# Altium PCB FPGA_Module.PcbDoc (part 4 of 5)
Units mm, origin at the board's own origin, x right, y up, seen from the top; angles counter-clockwise.
Board outline 40 x 50 mm, 6 copper layers (Top Layer, Int1 (GND), Int2 (Sign), Int3 (Sign), Int4 (GND), Bottom Layer), stack 1.49 mm thick; 168 components, 205 nets, 1176 pads, 667 vias.
Unrouted connection lines stored in the file: 1.
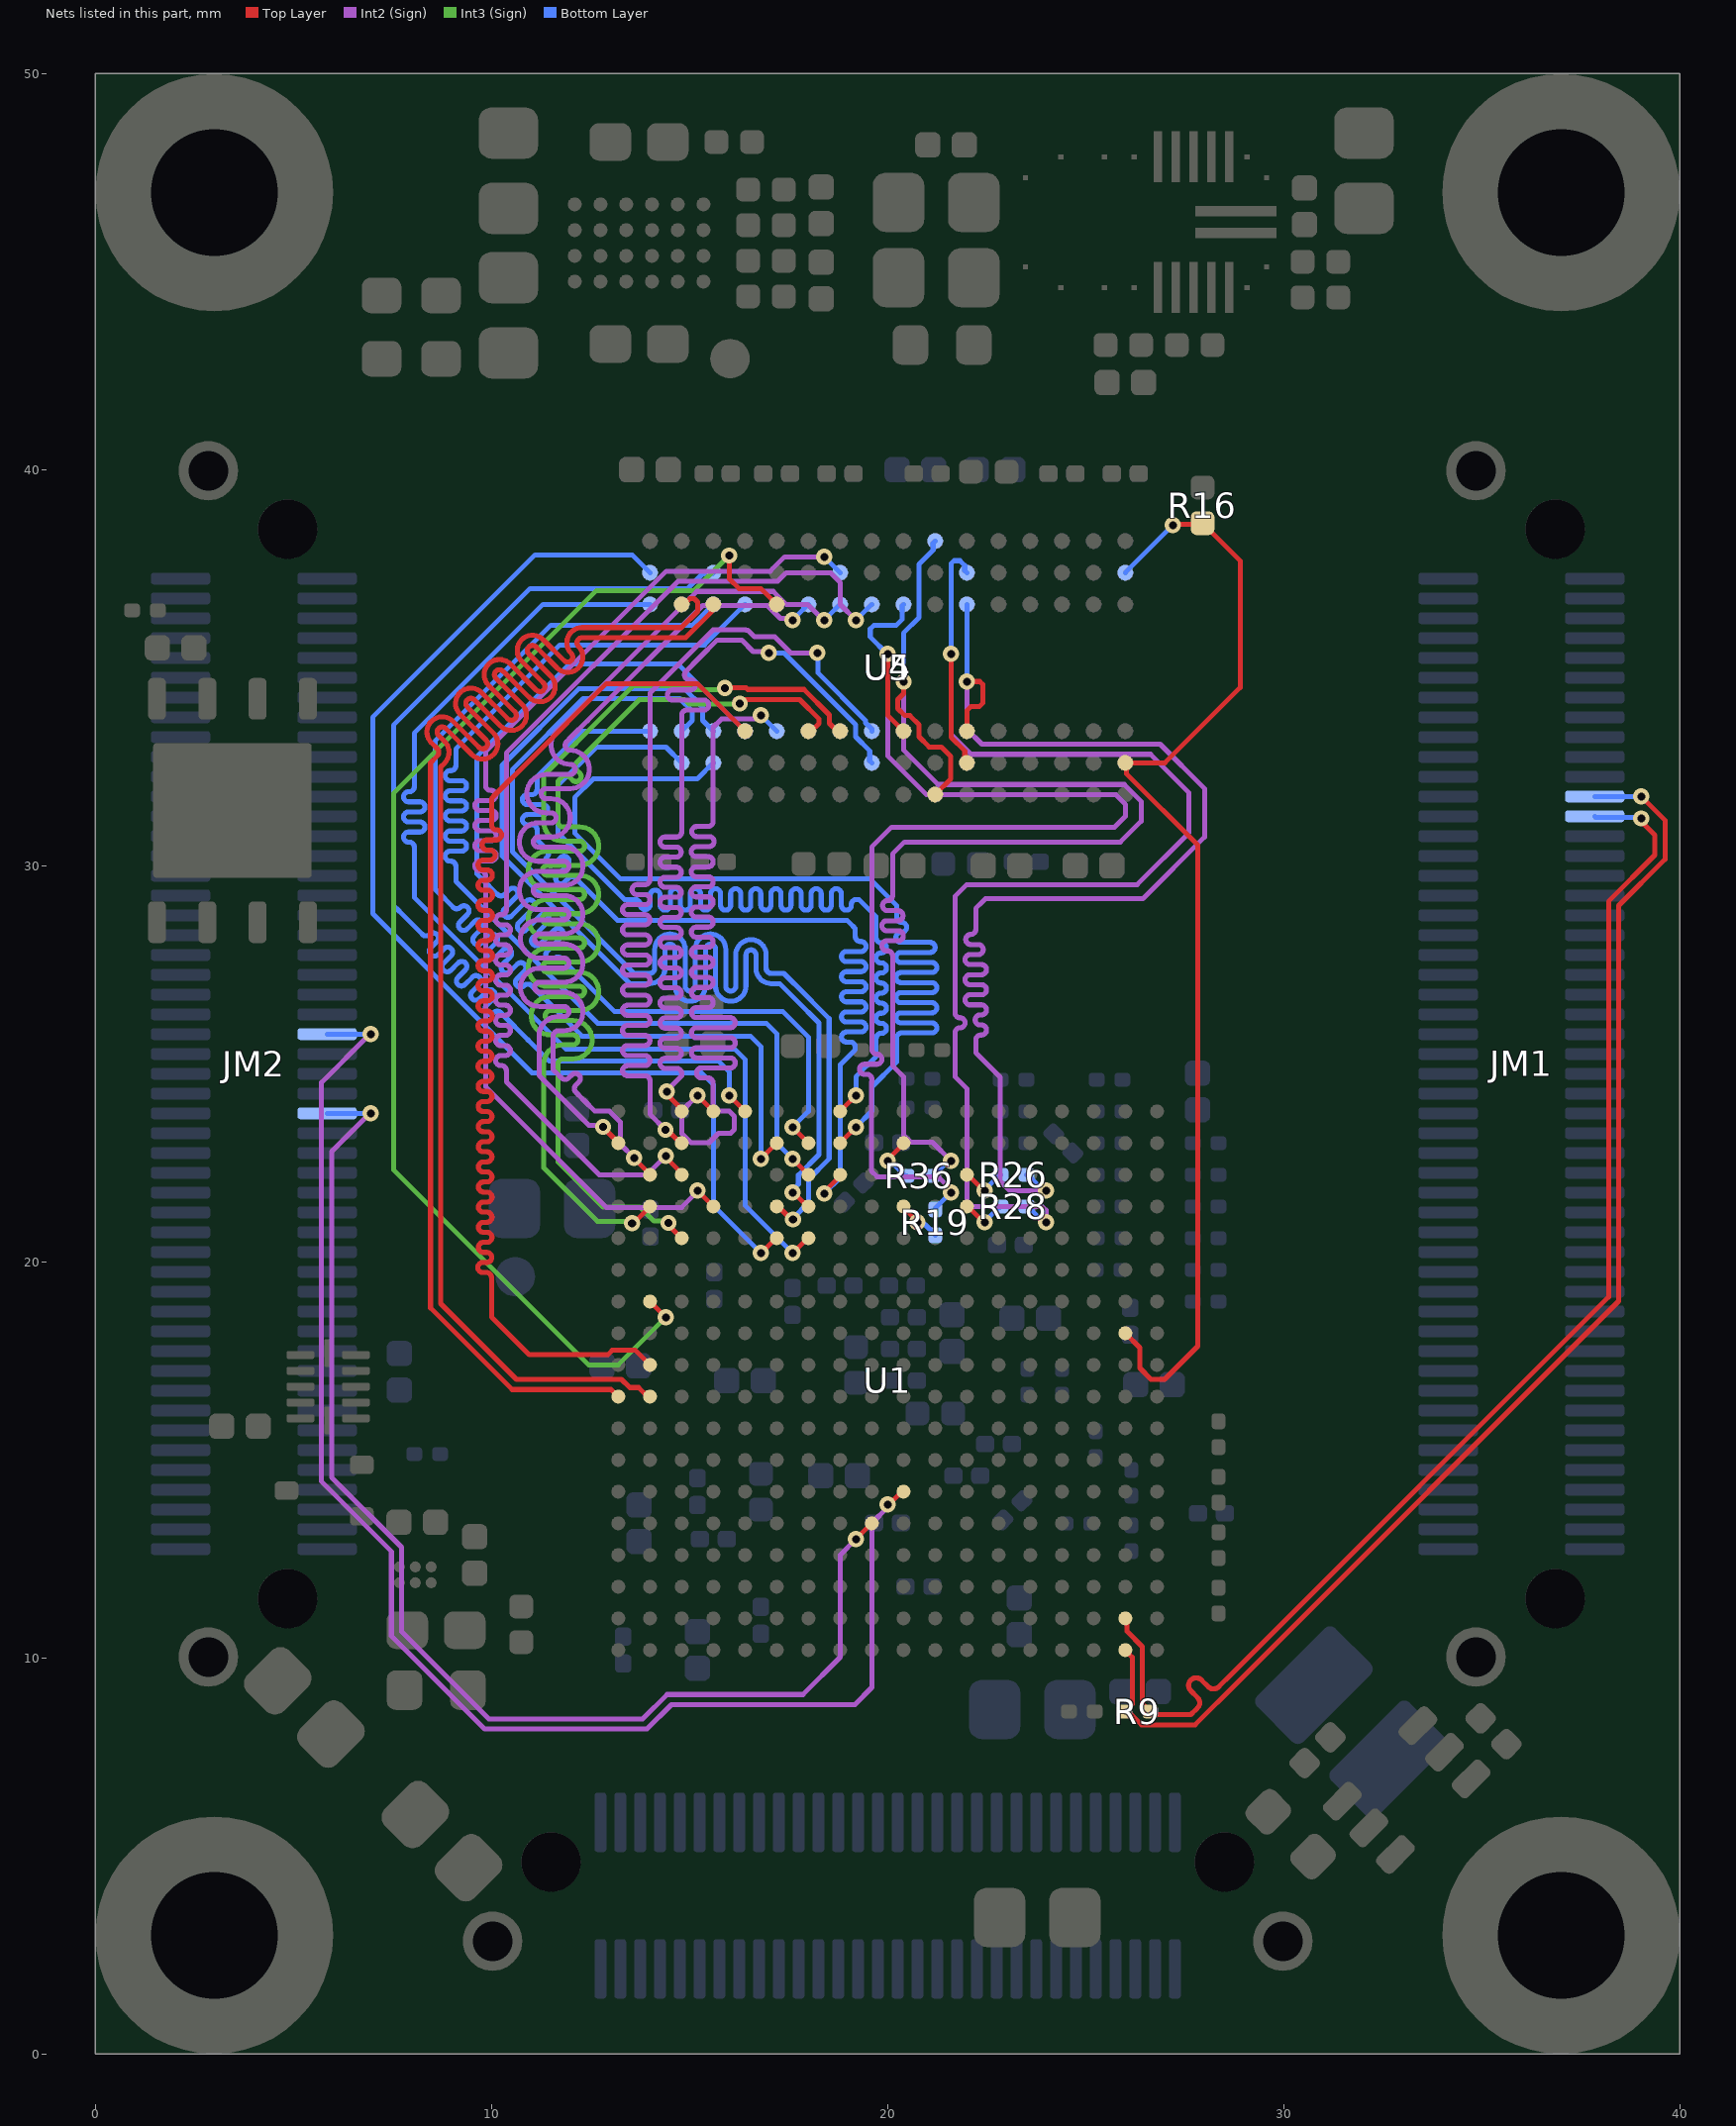
[diagram p8: the nets of this part, all layers, seen from the top]

## Via types
v1: diameter 0.406, hole 0.203, Top Layer to Bottom Layer, tented both sides, 667 vias

## Nets (pads, with @x,y where several pads share a name; then routed paths per layer and width w, separated by ;. In a path a pad name is that pad's centre, name@x,y a point inside that pad or via, vN(x,y) a via of type N, cw(c..) or ccw(c..) an arc to the next point about the centre after c; other vN are vias at no path point) (continued)
DDR3_D20: U1.C16 U5.H3 | length 30.2
  Top Layer w0.127: v1(14.4,22.675) 14.4,22.638 14.762,22.275 U1.C16@14.762,22.238
  Int2 (Sign) w0.127: v1(14.4,22.675) 13.925,22.2 12.718,22.2 10.375,24.543 10.375,24.765 10.375,24.828 ccw(c10.248,24.828) 10.248,24.955 10.231,24.955 cw(c10.231,25.082) 10.231,25.209 10.35,25.209 ccw(c10.35,25.336) 10.35,25.463 10.231,25.463 cw(c10.231,25.59) 10.231,25.717 10.35,25.717 ccw(c10.35,25.844) 10.35,25.971 10.231,25.971 cw(c10.231,26.098) 10.231,26.225 10.35,26.225 ccw(c10.35,26.352) 10.35,26.479 10.231,26.479 cw(c10.231,26.606) 10.231,26.733 10.35,26.733 ccw(c10.35,26.86) 10.35,26.987 10.231,26.987 cw(c10.231,27.114) 10.231,27.241 10.35,27.241 ccw(c10.35,27.368) 10.35,27.495 10.231,27.495 cw(c10.231,27.622) 10.231,27.749 10.35,27.749 ccw(c10.35,27.876) 10.35,28.003 10.231,28.003 cw(c10.231,28.13) 10.231,28.257 10.35,28.257 ccw(c10.35,28.384) 10.35,28.511 10.231,28.511 cw(c10.231,28.638) 10.231,28.765 10.248,28.765 ccw(c10.248,28.892) 10.375,28.892 10.375,29.334 10.375,32.85 14.708,37.183 17.226,37.183 17.437,37.394 18.563,37.394 18.806,37.15 18.806,36.594 v1(19.2,36.2)
  Bottom Layer w0.127: v1(19.2,36.2) U5.H3@19.6,36.6
DDR3_D21: U1.C18 U5.H8 | length 30.6
  Top Layer w0.127: v1(14.425,24.3) 14.425,24.235 14.762,23.898 U1.C18@14.762,23.838
  Int2 (Sign) w0.127: v1(14.425,24.3) 14.425,24.32 14.8,24.695 14.8,24.758 ccw(c14.673,24.758) 14.673,24.885 14.382,24.885 cw(c14.382,25.012) 14.382,25.139 14.665,25.139 ccw(c14.665,25.266) 14.665,25.393 14.382,25.393 cw(c14.382,25.52) 14.382,25.647 14.667,25.647 ccw(c14.667,25.774) 14.667,25.901 14.382,25.901 cw(c14.382,26.028) 14.382,26.155 14.667,26.155 ccw(c14.667,26.282) 14.667,26.409 14.382,26.409 cw(c14.382,26.536) 14.382,26.663 14.666,26.663 ccw(c14.666,26.79) 14.666,26.917 14.382,26.917 cw(c14.382,27.044) 14.382,27.171 14.664,27.171 ccw(c14.664,27.298) 14.664,27.425 14.382,27.425 cw(c14.382,27.552) 14.382,27.679 14.663,27.679 ccw(c14.663,27.806) 14.663,27.933 14.382,27.933 cw(c14.382,28.06) 14.382,28.187 14.663,28.187 ccw(c14.663,28.314) 14.663,28.441 14.382,28.441 cw(c14.382,28.568) 14.382,28.695 14.662,28.695 ccw(c14.662,28.822) 14.662,28.949 14.382,28.949 cw(c14.382,29.076) 14.382,29.203 14.662,29.203 ccw(c14.662,29.33) 14.662,29.457 14.381,29.457 cw(c14.381,29.584) 14.381,29.711 14.662,29.711 ccw(c14.662,29.838) 14.662,29.965 14.381,29.965 cw(c14.381,30.092) 14.381,30.219 14.662,30.219 ccw(c14.662,30.346) 14.662,30.473 14.381,30.473 cw(c14.381,30.6) 14.381,30.727 14.673,30.727 ccw(c14.673,30.854) 14.8,30.854 14.8,31.103 14.8,33.487 14.8,33.804 cw(c14.927,33.804) 14.927,33.931 15.356,33.931 ccw(c15.356,34.058) 15.356,34.185 14.568,34.185 cw(c14.568,34.312) 14.568,34.439 15.025,34.439 ccw(c15.025,34.566) 15.025,34.693 15,34.693 cw(c15,34.82) 14.91,34.91 15.243,35.243 15.7,35.7 16.316,35.7 16.606,35.409 16.966,35.409 v1(17,35.375)
  Bottom Layer w0.127: v1(17,35.375) 17.001,35.374 17.379,35.374 19.191,33.562 19.191,33.257 19.548,32.9 19.548,32.652 U5.H8@19.6,32.6
DDR3_D22: U1.D15 U5.G2 | length 30.3
  Top Layer w0.127: v1(15.2,21.8) U1.D15@15.562,21.438
  Int2 (Sign) w0.127: v1@15.213,21.788 14.8,21.375 12.9,21.375 9.85,24.425 9.85,29.681 9.85,29.745 ccw(c9.723,29.745) 9.723,29.872 9.706,29.872 cw(c9.706,29.999) 9.706,30.126 9.994,30.126 ccw(c9.994,30.253) 9.994,30.38 9.706,30.38 cw(c9.706,30.507) 9.706,30.634 9.994,30.634 ccw(c9.994,30.761) 9.994,30.888 9.706,30.888 cw(c9.706,31.015) 9.706,31.142 9.994,31.142 ccw(c9.994,31.269) 9.994,31.396 9.706,31.396 cw(c9.706,31.523) 9.706,31.65 9.985,31.65 ccw(c9.985,31.777) 9.985,31.904 9.977,31.904 cw(c9.977,32.031) 9.85,32.031 9.85,32.875 14.413,37.438 17.038,37.438 17.4,37.8 v1(18.4,37.8)
  Bottom Layer w0.127: v1(18.4,37.8) U5.G2@18.8,37.4
DDR3_D23: U1.C17 U5.H7 | length 30.5
  Top Layer w0.127: v1(14.394,23.335) 14.429,23.335 14.727,23.038 U1.C17@14.762,23.038
  Int2 (Sign) w0.127: v1(14.394,23.335) 14,23.729 14,24.51 14,24.573 ccw(c13.873,24.573) 13.873,24.7 13.435,24.7 cw(c13.435,24.827) 13.435,24.954 13.873,24.954 ccw(c13.873,25.081) 13.873,25.208 13.435,25.208 cw(c13.435,25.335) 13.435,25.462 13.873,25.462 ccw(c13.873,25.589) 13.873,25.716 13.435,25.716 cw(c13.435,25.843) 13.435,25.97 13.873,25.97 ccw(c13.873,26.097) 13.873,26.224 13.435,26.224 cw(c13.435,26.351) 13.435,26.478 13.873,26.478 ccw(c13.873,26.605) 13.873,26.732 13.435,26.732 cw(c13.435,26.859) 13.435,26.986 13.873,26.986 ccw(c13.873,27.113) 13.873,27.24 13.435,27.24 cw(c13.435,27.367) 13.435,27.494 13.873,27.494 ccw(c13.873,27.621) 13.873,27.748 13.435,27.748 cw(c13.435,27.875) 13.435,28.002 13.873,28.002 ccw(c13.873,28.129) 13.873,28.256 13.435,28.256 cw(c13.435,28.383) 13.435,28.51 13.873,28.51 ccw(c13.873,28.637) 13.873,28.764 13.435,28.764 cw(c13.435,28.891) 13.435,29.018 13.873,29.018 ccw(c13.873,29.145) 13.873,29.272 13.676,29.272 cw(c13.676,29.399) 13.676,29.526 13.873,29.526 ccw(c13.873,29.653) 14,29.653 14,30.314 14,34.359 15.595,35.954 16.421,35.954 16.425,35.95 16.468,35.95 16.637,35.781 17.15,35.781 17.557,35.375 v1(18.225,35.375)
  Bottom Layer w0.127: v1(18.225,35.375) 18.237,35.363 18.237,34.875 19.445,33.667 19.445,33.611 19.6,33.455 U5.H7@19.6,33.4
DDR3_D24: U1.G17 U5.D7 | length 29.5
  Top Layer w0.127: v1(17.6,23.4) U1.G17@17.962,23.038
  Bottom Layer w0.127: U5.D7@16.4,33.4 14.7,35.1 11.975,35.1 9.625,32.75 9.625,29.8 9.712,29.713 9.757,29.668 10.149,29.276 ccw(c10.239,29.366) 10.328,29.276 10.45,29.398 cw(c10.54,29.308) 10.63,29.398 cw(c10.54,29.308) 10.63,29.219 10.328,28.917 ccw(c10.418,28.827) 10.328,28.737 ccw(c10.418,28.827) 10.508,28.737 10.875,29.104 cw(c10.964,29.014) 11.054,29.104 cw(c10.964,29.014) 11.054,28.924 10.687,28.557 ccw(c10.777,28.468) 10.687,28.378 ccw(c10.777,28.468) 10.867,28.378 11.234,28.745 cw(c11.324,28.655) 11.413,28.745 cw(c11.324,28.655) 11.413,28.565 11.047,28.198 ccw(c11.136,28.108) 11.047,28.019 ccw(c11.136,28.108) 11.226,28.019 11.593,28.385 cw(c11.683,28.296) 11.773,28.385 cw(c11.683,28.296) 11.773,28.206 11.406,27.839 ccw(c11.496,27.749) 11.406,27.659 ccw(c11.496,27.749) 11.585,27.659 cw(c11.675,27.57) 11.765,27.66 11.81,27.615 13.1,26.325 17.35,26.325 18,25.675 18,23.8 v1(17.6,23.4)
DDR3_D25: U1.F17 U5.C3 | length 29.4
  Top Layer w0.127: v1(16.8,22.6) U1.F17@17.162,22.962
  Bottom Layer w0.127: U5.C3@15.6,36.6 15.075,36.075 11.5,36.075 8.575,33.15 8.575,29.409 8.583,29.402 8.627,29.357 9.033,28.951 ccw(c9.123,29.041) 9.212,28.951 9.214,28.953 cw(c9.304,28.863) 9.394,28.953 cw(c9.304,28.863) 9.394,28.773 9.205,28.584 ccw(c9.294,28.494) 9.205,28.405 ccw(c9.294,28.494) 9.384,28.405 9.573,28.594 cw(c9.663,28.504) 9.753,28.594 cw(c9.663,28.504) 9.753,28.414 9.564,28.225 ccw(c9.654,28.135) 9.564,28.045 ccw(c9.654,28.135) 9.743,28.045 9.933,28.235 cw(c10.022,28.145) 10.112,28.235 cw(c10.022,28.145) 10.112,28.055 9.923,27.866 ccw(c10.013,27.776) 9.923,27.686 ccw(c10.013,27.776) 10.103,27.686 10.292,27.875 cw(c10.382,27.786) 10.471,27.875 cw(c10.382,27.786) 10.471,27.696 10.282,27.507 ccw(c10.372,27.417) 10.282,27.327 ccw(c10.372,27.417) 10.462,27.327 10.651,27.516 cw(c10.741,27.426) 10.831,27.516 cw(c10.741,27.426) 10.831,27.337 10.641,27.147 ccw(c10.731,27.058) 10.641,26.968 ccw(c10.731,27.058) 10.821,26.968 10.829,26.976 cw(c10.919,26.886) 11.009,26.976 11.053,26.931 12.284,25.7 16.538,25.7 16.8,25.438 v1(16.8,22.6)
DDR3_D26: U1.H17 U5.C8 | length 29.6
  Top Layer w0.127: U1.H17@18.838,23.038 v1(19.2,23.4)
  Bottom Layer w0.127: U5.C8@15.6,32.6 15.191,32.191 12.566,32.191 12.1,31.725 12.1,30.825 13.25,29.675 19.55,29.675 20.2,29.025 20.225,29 20.225,28.701 ccw(c20.352,28.701) 20.352,28.574 cw(c20.352,28.447) 20.352,28.32 20.337,28.32 ccw(c20.337,28.193) 20.337,28.066 21.074,28.066 cw(c21.074,27.939) 21.074,27.812 20.337,27.812 ccw(c20.337,27.685) 20.337,27.558 21.114,27.558 cw(c21.114,27.431) 21.114,27.304 20.337,27.304 ccw(c20.337,27.177) 20.337,27.05 21.114,27.05 cw(c21.114,26.923) 21.114,26.796 20.337,26.796 ccw(c20.337,26.669) 20.337,26.542 21.114,26.542 cw(c21.114,26.415) 21.114,26.288 20.337,26.288 ccw(c20.337,26.161) 20.337,26.034 21.114,26.034 cw(c21.114,25.907) 21.114,25.78 20.352,25.78 ccw(c20.352,25.653) 20.225,25.653 20.225,25.335 20.225,25.041 19.606,24.423 19.606,23.806 v1(19.2,23.4)
DDR3_D27: U1.E18 U5.C2 | length 29.5
  Top Layer w0.127: v1(16,24.2) U1.E18@16.362,23.838
  Bottom Layer w0.127: U5.C2@15.6,37.4 15.573,37.373 15.329,37.373 14.956,37 10.975,37 7.525,33.55 7.525,29 7.668,28.857 7.713,28.812 8.26,28.265 ccw(c8.35,28.355) 8.439,28.265 cw(c8.529,28.175) 8.619,28.265 cw(c8.529,28.175) 8.619,28.086 8.468,27.934 ccw(c8.558,27.844) 8.468,27.755 ccw(c8.558,27.844) 8.647,27.755 8.802,27.909 cw(c8.892,27.819) 8.982,27.909 cw(c8.892,27.819) 8.982,27.73 8.792,27.54 ccw(c8.882,27.451) 8.792,27.361 ccw(c8.882,27.451) 8.972,27.361 9.161,27.55 cw(c9.251,27.46) 9.341,27.55 cw(c9.251,27.46) 9.341,27.37 9.152,27.181 ccw(c9.241,27.091) 9.152,27.002 ccw(c9.241,27.091) 9.331,27.002 9.52,27.191 cw(c9.61,27.101) 9.7,27.191 cw(c9.61,27.101) 9.7,27.011 9.511,26.822 ccw(c9.601,26.732) 9.511,26.642 ccw(c9.601,26.732) 9.69,26.642 9.88,26.832 cw(c9.969,26.742) 10.059,26.832 cw(c9.969,26.742) 10.059,26.652 9.87,26.463 ccw(c9.96,26.373) 9.87,26.283 ccw(c9.96,26.373) 10.05,26.283 10.056,26.289 cw(c10.146,26.2) 10.236,26.289 10.28,26.245 10.923,25.602 11.45,25.075 15.725,25.075 16,24.8 v1(16,24.2)
DDR3_D28: U1.H16 U5.A7 | length 29.4
  Top Layer w0.127: v1(18.4,21.725) 18.4,21.762 18.762,22.125 U1.H16@18.762,22.162
  Bottom Layer w0.127: U5.A7@14,33.4 12.444,33.4 12.3,33.4 11.267,32.367 11.15,32.25 11.15,32.128 11.15,31.926 cw(c11.023,31.926) 11.023,31.799 10.906,31.799 ccw(c10.906,31.672) 10.906,31.545 11.294,31.545 cw(c11.294,31.418) 11.294,31.291 10.906,31.291 ccw(c10.906,31.164) 10.906,31.037 11.023,31.037 cw(c11.023,30.91) 11.15,30.91 11.15,30.846 11.15,30.656 11.195,30.611 11.403,30.403 cw(c11.314,30.313) 11.403,30.223 ccw(c11.493,30.133) 11.403,30.043 ccw(c11.493,30.133) 11.583,30.043 11.741,30.202 cw(c11.831,30.112) 11.921,30.202 cw(c11.831,30.112) 11.921,30.022 11.659,29.761 ccw(c11.749,29.671) 11.659,29.581 ccw(c11.749,29.671) 11.839,29.581 11.942,29.684 cw(c12.032,29.594) 12.122,29.684 12.167,29.639 13.181,28.625 18.975,28.625 19.136,28.464 19.184,28.416 19.184,28.216 ccw(c19.311,28.216) 19.311,28.089 19.328,28.089 cw(c19.328,27.962) 19.328,27.835 18.961,27.835 ccw(c18.961,27.708) 18.961,27.581 19.328,27.581 cw(c19.328,27.454) 19.328,27.327 18.961,27.327 ccw(c18.961,27.2) 18.961,27.073 19.328,27.073 cw(c19.328,26.946) 19.328,26.819 18.961,26.819 ccw(c18.961,26.692) 18.961,26.565 19.328,26.565 cw(c19.328,26.438) 19.328,26.311 18.961,26.311 ccw(c18.961,26.184) 18.961,26.057 19.328,26.057 cw(c19.328,25.93) 19.328,25.803 18.961,25.803 ccw(c18.961,25.676) 18.961,25.549 19.057,25.549 cw(c19.057,25.422) 19.184,25.422 19.184,25.359 18.802,24.977 18.802,22.127 v1(18.4,21.725)
DDR3_D29: U1.F14 U5.A2 | length 29.5
  Top Layer w0.127: v1(16.8,20.225) 16.813,20.225 17.162,20.575 U1.F14@17.162,20.587
  Bottom Layer w0.127: U5.A2@14,37.4 13.55,37.85 11.1,37.85 7,33.75 7,28.794 11.019,24.775 15.3,24.775 15.6,24.475 15.6,21.425 v1(16.8,20.225)
DDR3_D30: U1.H18 U5.B8 | length 29.5
  Top Layer w0.127: U1.H18@18.838,23.838 v1(19.2,24.2)
  Bottom Layer w0.127: U5.B8@14.8,32.6 14.406,32.994 12.644,32.994 11.675,32.025 11.675,30.831 13.356,29.15 13.395,29.15 13.623,29.15 cw(c13.623,29.023) 13.75,29.023 ccw(c13.877,29.023) 14.004,29.023 14.004,29.258 cw(c14.131,29.258) 14.258,29.258 14.258,29.006 ccw(c14.385,29.006) 14.512,29.006 14.512,29.294 cw(c14.639,29.294) 14.766,29.294 14.766,29.006 ccw(c14.893,29.006) 15.02,29.006 15.02,29.294 cw(c15.147,29.294) 15.274,29.294 15.274,29.006 ccw(c15.401,29.006) 15.528,29.006 15.528,29.294 cw(c15.655,29.294) 15.782,29.294 15.782,29.006 ccw(c15.909,29.006) 16.036,29.006 16.036,29.294 cw(c16.163,29.294) 16.29,29.294 16.29,29.006 ccw(c16.417,29.006) 16.544,29.006 16.544,29.294 cw(c16.671,29.294) 16.798,29.294 16.798,29.006 ccw(c16.925,29.006) 17.052,29.006 17.052,29.294 cw(c17.179,29.294) 17.306,29.294 17.306,29.006 ccw(c17.433,29.006) 17.56,29.006 17.56,29.294 cw(c17.687,29.294) 17.814,29.294 17.814,29.006 ccw(c17.941,29.006) 18.068,29.006 18.068,29.294 cw(c18.195,29.294) 18.322,29.294 18.322,29.006 ccw(c18.449,29.006) 18.576,29.006 18.576,29.294 cw(c18.703,29.294) 18.83,29.294 18.83,29.006 ccw(c18.957,29.006) 19.084,29.006 19.084,29.023 cw(c19.211,29.023) 19.211,29.15 19.275,29.15 19.709,28.716 19.709,28.183 ccw(c19.836,28.183) 19.836,28.056 19.844,28.056 cw(c19.844,27.929) 19.844,27.802 19.832,27.802 ccw(c19.832,27.675) 19.832,27.548 19.844,27.548 cw(c19.844,27.421) 19.844,27.294 19.832,27.294 ccw(c19.832,27.167) 19.832,27.04 19.844,27.04 cw(c19.844,26.913) 19.844,26.786 19.832,26.786 ccw(c19.832,26.659) 19.832,26.532 19.844,26.532 cw(c19.844,26.405) 19.844,26.278 19.828,26.278 ccw(c19.828,26.151) 19.828,26.024 19.844,26.024 cw(c19.844,25.897) 19.844,25.77 19.836,25.77 ccw(c19.836,25.643) 19.709,25.643 19.709,25.325 19.709,25.184 19.2,24.675 v1(19.2,24.2)
DDR3_D31: U1.G14 U5.A3 | length 29.4
  Top Layer w0.127: v1(17.6,20.225) 17.613,20.225 17.962,20.575 U1.G14@17.962,20.587
  Bottom Layer w0.127: U5.A3@14,36.6 11.3,36.6 8.05,33.35 8.05,32.339 8.05,31.995 cw(c7.923,31.995) 7.923,31.868 7.906,31.868 ccw(c7.906,31.741) 7.906,31.614 8.194,31.614 cw(c8.194,31.487) 8.194,31.36 7.906,31.36 ccw(c7.906,31.233) 7.906,31.106 8.194,31.106 cw(c8.194,30.979) 8.194,30.852 7.906,30.852 ccw(c7.906,30.725) 7.906,30.598 7.923,30.598 cw(c7.923,30.471) 8.05,30.471 8.05,30.408 8.05,29.2 11.875,25.375 16.138,25.375 16.4,25.113 16.4,21.425 v1(17.6,20.225)
DDR3_DM0: U1.B12 U4.E7 | length 32.5
  Top Layer w0.127: U1.B12@13.962,19.038 v1(14.4,18.6) ; v1(16,37.832) 16,37.248 16.248,37 16.8,37 U4.E7@17.2,36.6
  Int3 (Sign) w0.127: v1(14.4,18.6) 13.2,17.4 12.45,17.4 7.525,22.325 7.525,31.825 12.65,36.95 15.118,36.95 v1(16,37.832)
DDR3_DM1: U1.B10 U4.D3 | length 36.8
  Top Layer w0.127: U1.B10@14,17.4 13.635,17.766 13.049,17.766 12.937,17.654 10.955,17.654 10,18.609 10,19.54 10,19.604 ccw(c9.873,19.604) 9.873,19.731 9.781,19.731 cw(c9.781,19.858) 9.781,19.985 9.881,19.985 ccw(c9.881,20.112) 9.881,20.239 9.796,20.239 cw(c9.796,20.366) 9.796,20.493 9.884,20.493 ccw(c9.884,20.62) 9.884,20.747 9.797,20.747 cw(c9.797,20.874) 9.797,21.001 9.884,21.001 ccw(c9.884,21.128) 9.884,21.255 9.797,21.255 cw(c9.797,21.382) 9.797,21.509 9.884,21.509 ccw(c9.884,21.636) 9.884,21.763 9.797,21.763 cw(c9.797,21.89) 9.797,22.017 9.884,22.017 ccw(c9.884,22.144) 9.884,22.271 9.797,22.271 cw(c9.797,22.398) 9.797,22.525 9.884,22.525 ccw(c9.884,22.652) 9.884,22.779 9.796,22.779 cw(c9.796,22.906) 9.796,23.033 9.884,23.033 ccw(c9.884,23.16) 9.884,23.287 9.794,23.287 cw(c9.794,23.414) 9.794,23.541 9.884,23.541 ccw(c9.884,23.668) 9.884,23.795 9.792,23.795 cw(c9.792,23.922) 9.792,24.049 9.884,24.049 ccw(c9.884,24.176) 9.884,24.303 9.79,24.303 cw(c9.79,24.43) 9.79,24.557 9.884,24.557 ccw(c9.884,24.684) 9.884,24.811 9.788,24.811 cw(c9.788,24.938) 9.788,25.065 9.884,25.065 ccw(c9.884,25.192) 9.884,25.319 9.788,25.319 cw(c9.788,25.446) 9.788,25.573 9.886,25.573 ccw(c9.886,25.7) 9.886,25.827 9.788,25.827 cw(c9.788,25.954) 9.788,26.081 9.891,26.081 ccw(c9.891,26.208) 9.891,26.335 9.788,26.335 cw(c9.788,26.462) 9.788,26.589 9.895,26.589 ccw(c9.895,26.716) 9.895,26.843 9.788,26.843 cw(c9.788,26.97) 9.788,27.097 9.899,27.097 ccw(c9.899,27.224) 9.899,27.351 9.788,27.351 cw(c9.788,27.478) 9.788,27.605 9.899,27.605 ccw(c9.899,27.732) 9.899,27.859 9.788,27.859 cw(c9.788,27.986) 9.788,28.113 9.898,28.113 ccw(c9.898,28.24) 9.898,28.367 9.788,28.367 cw(c9.788,28.494) 9.788,28.621 9.897,28.621 ccw(c9.897,28.748) 9.897,28.875 9.788,28.875 cw(c9.788,29.002) 9.788,29.129 9.896,29.129 ccw(c9.896,29.256) 9.896,29.383 9.788,29.383 cw(c9.788,29.51) 9.788,29.637 9.896,29.637 ccw(c9.896,29.764) 9.896,29.891 9.788,29.891 cw(c9.788,30.018) 9.788,30.145 9.965,30.145 ccw(c9.965,30.272) 9.965,30.399 9.888,30.399 cw(c9.888,30.526) 9.888,30.653 10.127,30.653 ccw(c10.127,30.78) 10.127,30.907 cw(c10.127,31.034) 10,31.034 10,31.7 10.027,31.727 10.056,31.756 10.955,32.655 12.9,34.6 15.2,34.6 U4.D3@16.4,33.4
DDR3_DM2: U1.D18 U5.E7 | length 30.2
  Top Layer w0.127: v1(15.2,24.2) U1.D18@15.562,23.838
  Int2 (Sign) w0.127: v1(15.2,24.2) 14.806,23.806 14.806,23.237 15.037,23.006 15.49,23.006 15.732,23.248 16.039,23.248 16.132,23.341 16.132,23.675 16.001,23.806 15.744,23.806 15.594,23.956 15.594,24.319 ; 15.594,24.32 15.594,24.515 ccw(c15.467,24.515) 15.467,24.642 15.302,24.642 cw(c15.302,24.769) 15.302,24.896 16.025,24.896 ccw(c16.025,25.023) 16.025,25.15 15.173,25.15 cw(c15.173,25.277) 15.173,25.404 16.025,25.404 ccw(c16.025,25.531) 16.025,25.658 15.175,25.658 cw(c15.175,25.785) 15.175,25.912 16.025,25.912 ccw(c16.025,26.039) 16.025,26.166 15.175,26.166 cw(c15.175,26.293) 15.175,26.42 15.47,26.42 ccw(c15.47,26.547) 15.47,26.674 15.174,26.674 cw(c15.174,26.801) 15.174,26.928 15.47,26.928 ccw(c15.47,27.055) 15.47,27.182 15.172,27.182 cw(c15.172,27.309) 15.172,27.436 15.47,27.436 ccw(c15.47,27.563) 15.47,27.69 15.171,27.69 cw(c15.171,27.817) 15.171,27.944 15.47,27.944 ccw(c15.47,28.071) 15.47,28.198 15.171,28.198 cw(c15.171,28.325) 15.171,28.452 15.47,28.452 ccw(c15.47,28.579) 15.47,28.706 15.17,28.706 cw(c15.17,28.833) 15.17,28.96 15.47,28.96 ccw(c15.47,29.087) 15.47,29.214 15.17,29.214 cw(c15.17,29.341) 15.17,29.468 15.47,29.468 ccw(c15.47,29.595) 15.47,29.722 15.17,29.722 cw(c15.17,29.849) 15.17,29.976 15.47,29.976 ccw(c15.47,30.103) 15.47,30.23 15.17,30.23 cw(c15.17,30.357) 15.17,30.484 15.492,30.484 ccw(c15.492,30.611) 15.492,30.738 15.181,30.738 cw(c15.181,30.865) 15.181,30.992 15.467,30.992 ccw(c15.467,31.119) 15.594,31.119 15.594,31.436 15.594,33.494 15.805,33.705 16.629,33.705 16.724,33.8 v1(16.8,33.8)
  Bottom Layer w0.127: v1(16.8,33.8) U5.E7@17.2,33.4
DDR3_DM3: U1.G16 U5.D3 | length 29.5
  Top Layer w0.127: v1(17.6,22.6) U1.G16@17.962,22.238
  Bottom Layer w0.127: U5.D3@16.4,36.6 15.375,35.575 11.725,35.575 9.1,32.95 9.1,32.758 9.1,32.529 cw(c8.973,32.529) 8.973,32.402 8.956,32.402 ccw(c8.956,32.275) 8.956,32.148 9.244,32.148 cw(c9.244,32.021) 9.244,31.894 8.956,31.894 ccw(c8.956,31.767) 8.956,31.64 9.244,31.64 cw(c9.244,31.513) 9.244,31.386 8.956,31.386 ccw(c8.956,31.259) 8.956,31.132 9.244,31.132 cw(c9.244,31.005) 9.244,30.878 8.956,30.878 ccw(c8.956,30.751) 8.956,30.624 9.244,30.624 cw(c9.244,30.497) 9.244,30.37 8.956,30.37 ccw(c8.956,30.243) 8.956,30.116 8.973,30.116 cw(c8.973,29.989) 9.1,29.989 9.1,29.925 9.1,29.606 12.681,26.025 16.938,26.025 17.2,25.763 17.2,23 v1(17.6,22.6)
DDR3_DQS0_N: U1.B15 U4.G3 | length 32.7
  Top Layer w0.127: v1@13.6,20.975 13.6,20.987 13.962,21.35 U1.B15@13.962,21.4 ; v1@15.939,34.586 16.033,34.492 16.429,34.492 16.47,34.451 17.887,34.451 18.529,33.809 18.529,33.598 18.726,33.4 U4.G3@18.8,33.4
  Int3 (Sign) w0.127: v1@13.6,20.975 13.551,21.024 12.67,21.024 11.318,22.377 11.318,23.96 11.318,24.995 cw(c11.802,24.995) 11.802,25.479 12.055,25.479 ccw(c12.055,25.606) 12.055,25.733 11.484,25.733 cw(c11.484,26.218) 11.484,26.702 12.222,26.702 ccw(c12.222,26.829) 12.222,26.956 11.413,26.956 cw(c11.413,27.44) 11.413,27.925 12.222,27.925 ccw(c12.222,28.052) 12.222,28.179 11.413,28.179 cw(c11.413,28.663) 11.413,29.147 12.222,29.147 ccw(c12.222,29.274) 12.222,29.401 11.413,29.401 cw(c11.413,29.886) 11.413,30.37 12.222,30.37 ccw(c12.222,30.497) 12.222,30.624 11.802,30.624 cw(c11.802,31.108) 11.318,31.108 11.318,31.351 11.318,32.283 12.124,33.089 13.586,34.551 15.02,34.551 15.126,34.445 15.851,34.445 v1(15.894,34.488)
  other v1: 13.549,20.974
DDR3_DQS0_P: U1.C14 U4.F3 | length 32.8
  Top Layer w0.127: v1@14.412,20.975 14.419,20.975 v1@14.469,20.925 ; v1(14.469,20.981) v1@14.469,20.925 ; 14.587,20.806 v1@14.469,20.925 ; U1.C14@14.762,20.638 14.756,20.638 v1@14.469,20.925 ; v1@16.164,34.193 16.165,34.194 17.78,34.194 18.271,33.703 18.271,33.598 18.074,33.4 U4.F3@18,33.4
  Int3 (Sign) w0.127: v1@14.412,20.975 14.359,21.028 14.103,21.028 13.75,21.381 12.819,21.381 11.675,22.525 11.675,23.96 11.675,24.995 cw(c11.802,24.995) 11.802,25.122 12.055,25.122 ccw(c12.055,25.606) 12.055,26.091 11.484,26.091 cw(c11.484,26.218) 11.484,26.345 12.222,26.345 ccw(c12.222,26.829) 12.222,27.313 11.413,27.313 cw(c11.413,27.44) 11.413,27.567 12.222,27.567 ccw(c12.222,28.052) 12.222,28.536 11.413,28.536 cw(c11.413,28.663) 11.413,28.79 12.222,28.79 ccw(c12.222,29.274) 12.222,29.759 11.413,29.759 cw(c11.413,29.886) 11.413,30.013 12.222,30.013 ccw(c12.222,30.497) 12.222,30.981 11.802,30.981 cw(c11.802,31.108) 11.675,31.108 11.675,31.351 11.675,31.994 11.675,32.135 11.784,32.244 cw(c11.874,32.154) 11.964,32.244 12.046,32.162 ccw(c12.136,32.252) 12.225,32.162 ccw(c12.136,32.252) 12.225,32.342 12.144,32.424 cw(c12.233,32.514) 12.144,32.603 12.416,32.876 13.734,34.194 14.872,34.194 14.978,34.087 16.255,34.087 v1(16.266,34.098)
DDR3_DQS1_N: U1.A9 U4.B7 | length 37.4
  Top Layer w0.127: 8.633,32.955 cw(c8.544,32.865) 8.633,32.775 8.498,32.639 8.46,32.601 8.46,18.84 10.523,16.777 13.014,16.777 13.191,16.6 U1.A9@13.2,16.6 ; 8.632,32.956 8.484,33.104 cw(c8.755,33.377) 8.982,33.686 8.989,33.686 9.685,32.989 ccw(c9.776,33.078) 9.866,32.989 ccw(c9.776,33.078) 9.865,33.169 9.207,33.827 cw(c9.477,34.1) 9.705,34.409 9.711,34.409 10.408,33.712 ; 9.928,35.094 ccw(c10.2,34.823) 9.93,34.55 10.588,33.892 ; 9.929,35.095 cw(c10.2,34.823) 10.428,35.132 10.434,35.132 11.131,34.435 ; 10.409,33.712 ccw(c10.499,33.801) 10.588,33.892 ; 10.76,35.708 ccw(c11.032,35.437) 10.761,35.165 11.311,34.615 cw(c11.222,34.524) 11.132,34.435 ; 10.761,35.709 cw(c11.032,35.437) 11.304,35.708 11.833,35.179 ; 11.834,35.179 ccw(c11.924,35.268) 12.013,35.358 ; 12.013,35.359 cw(c12.286,35.63) 12.286,36.014 13.712,36.014 13.909,36.014 14.795,36.014 15.203,36.422 15.203,36.66 15.116,36.747 15.011,36.747 14.864,36.6 U4.B7@14.8,36.6
DDR3_DQS1_P: U1.B9 U4.C7 | length 37.4
  Top Layer w0.127: 8.665,33.287 cw(c8.755,33.377) 8.845,33.466 ; 8.665,33.287 8.815,33.137 cw(c8.544,32.865) 8.816,33.136 8.853,33.099 8.853,33.093 cw(c8.544,32.865) 8.816,32.593 ; 8.815,32.592 8.717,32.495 8.717,32.419 8.717,18.946 10.629,17.035 13.282,17.035 13.491,16.826 13.714,16.826 13.94,16.6 U1.B9@14,16.6 ; 8.845,33.466 9.503,32.808 ccw(c9.776,33.078) 10.047,32.806 ; 9.568,34.189 ccw(c9.477,34.1) 9.388,34.01 10.085,33.313 10.085,33.306 cw(c9.776,33.078) 10.048,32.807 ; 9.568,34.189 10.226,33.531 ccw(c10.499,33.801) 10.808,34.029 10.808,34.035 10.111,34.732 cw(c10.2,34.823) 10.111,34.913 cw(c10.2,34.823) 10.291,34.912 ; 10.291,34.912 10.949,34.254 ccw(c11.222,34.524) 11.531,34.752 11.531,34.758 10.943,35.346 ; 10.943,35.347 cw(c11.032,35.437) 10.942,35.527 cw(c11.032,35.437) 11.122,35.526 11.652,34.996 ccw(c11.924,35.268) 12.197,35.539 cw(c12.286,35.63) 12.286,35.757 13.712,35.757 14.001,35.757 14.901,35.757 15.548,36.403 15.548,36.548 U4.C7@15.6,36.6
DDR3_DQS2_N: U1.A17 U5.G3 | length 30.2
  Top Layer w0.127: v1@12.817,23.397 U1.A17@13.167,23.047 ; U1.A17@13.188,23 U1.A17@13.2,23
  Int2 (Sign) w0.127: 11.986,32.56 cw(c11.986,33.044) 11.645,33.387 11.753,33.495 11.921,33.664 15.022,36.765 15.183,36.926 17.111,36.926 17.437,36.6 17.978,36.6 18.378,36.2 v1(18.4,36.2) ; 11.986,32.56 cw(c11.986,32.433) 11.986,32.306 11.379,32.306 ccw(c11.379,31.821) 11.379,31.337 11.503,31.337 cw(c11.503,31.21) 11.503,31.083 11.183,31.083 ccw(c11.183,30.599) 11.183,30.114 11.827,30.114 cw(c11.827,29.987) 11.827,29.86 11.183,29.86 ccw(c11.183,29.376) 11.183,28.892 11.827,28.892 cw(c11.827,28.765) 11.827,28.638 11.215,28.638 ccw(c11.215,28.153) 11.215,27.669 11.827,27.669 cw(c11.827,27.542) 11.827,27.415 11.215,27.415 ccw(c11.215,26.931) 11.215,26.446 11.827,26.446 cw(c11.827,26.319) 11.827,26.192 11.684,26.192 ccw(c11.684,25.708) 11.2,25.708 11.2,24.854 11.2,24.706 12.089,23.817 12.461,23.446 12.78,23.446 v1(12.817,23.409)
  Bottom Layer w0.127: v1(18.4,36.2) U5.G3@18.8,36.6
DDR3_DQS2_P: U1.B16 U5.F3 | length 30.2
  Top Layer w0.127: v1(13.6,22.625) 13.6,22.613 13.962,22.25 U1.B16@13.962,22.238
  Int2 (Sign) w0.127: 11.986,32.917 cw(c11.986,33.044) 11.897,33.134 12.005,33.243 12.426,33.664 15.331,36.569 16.963,36.569 17.289,36.243 17.557,36.243 v1(17.6,36.2) ; 11.986,32.917 cw(c11.986,32.433) 11.986,31.948 11.379,31.948 ccw(c11.379,31.821) 11.379,31.694 11.503,31.694 cw(c11.503,31.21) 11.503,30.726 11.183,30.726 ccw(c11.183,30.599) 11.183,30.472 11.827,30.472 cw(c11.827,29.987) 11.827,29.503 11.183,29.503 ccw(c11.183,29.376) 11.183,29.249 11.827,29.249 cw(c11.827,28.765) 11.827,28.28 11.215,28.28 ccw(c11.215,28.153) 11.215,28.026 11.827,28.026 cw(c11.827,27.542) 11.827,27.058 11.215,27.058 ccw(c11.215,26.931) 11.215,26.804 11.827,26.804 cw(c11.827,26.319) 11.827,25.835 11.684,25.835 ccw(c11.684,25.708) 11.557,25.708 11.557,24.854 11.724,24.688 11.769,24.643 ccw(c11.859,24.733) 11.949,24.643 12.028,24.722 cw(c12.117,24.632) 12.207,24.722 cw(c12.117,24.632) 12.207,24.542 12.128,24.463 ccw(c12.218,24.373) 12.128,24.284 12.297,24.115 12.342,24.07 12.609,23.803 12.98,23.803 13.256,23.527 13.256,22.969 v1(13.6,22.625)
  Bottom Layer w0.127: v1(17.6,36.2) U5.F3@18,36.6
DDR3_DQS3_N: U1.F15 U5.B7 | length 30
  Top Layer w0.127: U1.F15@17.125,21.438 U1.F15@17.162,21.438 ; U1.F15@17.234,21.383 17.257,21.383 17.57,21.07 v1(17.609,21.07)
  Bottom Layer w0.127: U5.B7@14.8,33.4 15.071,33.671 15.071,33.904 14.757,34.218 12.318,34.218 10.525,32.425 10.525,30.356 13.599,27.282 13.802,27.282 13.994,27.282 ccw(c13.994,27.409) 14.121,27.409 14.121,27.892 cw(c14.506,27.892) 14.506,28.276 cw(c14.506,27.892) 14.89,27.892 14.89,26.963 ccw(c15.017,26.963) 15.017,26.836 ccw(c15.017,26.963) 15.144,26.963 15.144,27.892 cw(c15.528,27.892) 15.528,28.276 cw(c15.528,27.892) 15.912,27.892 15.912,26.963 ccw(c16.039,26.963) 16.039,26.836 ccw(c16.039,26.963) 16.166,26.963 16.166,27.749 cw(c16.55,27.749) 16.55,28.133 cw(c16.55,27.749) 16.935,27.749 16.935,27.409 ccw(c17.062,27.409) 17.062,27.282 17.382,27.282 17.62,27.044 17.683,26.981 18.524,26.14 18.524,22.604 18.006,22.086 18.006,21.494 17.609,21.097 v1(17.609,21.07)
DDR3_DQS3_P: U1.G15 U5.C7 | length 30
  Top Layer w0.127: v1(17.6,21.75) 17.625,21.75 17.937,21.438 U1.G15@17.962,21.438
  Bottom Layer w0.127: U5.C7@15.6,33.4 15.329,33.671 15.329,34.01 14.864,34.475 12.211,34.475 10.268,32.532 10.268,30.249 13.492,27.025 13.802,27.025 13.994,27.025 ccw(c13.994,27.409) 14.379,27.409 14.379,27.892 cw(c14.506,27.892) 14.506,28.019 cw(c14.506,27.892) 14.633,27.892 14.633,26.963 ccw(c15.017,26.963) 15.017,26.579 ccw(c15.017,26.963) 15.401,26.963 15.401,27.892 cw(c15.528,27.892) 15.528,28.019 cw(c15.528,27.892) 15.655,27.892 15.655,26.963 ccw(c16.039,26.963) 16.039,26.579 ccw(c16.039,26.963) 16.423,26.963 16.423,27.749 cw(c16.55,27.749) 16.55,27.876 cw(c16.55,27.749) 16.677,27.749 16.677,27.409 ccw(c17.062,27.409) 17.062,27.025 17.275,27.025 17.438,26.862 17.683,26.617 18.267,26.033 18.267,22.71 17.749,22.192 17.749,21.964 17.6,21.815 v1(17.6,21.75)
DDR3_ODT: R36.1 U1.K17 | length 1.2
  Top Layer w0.127: v1(20,22.55) 20,22.575 20.4,22.975 U1.K17@20.4,23
  Bottom Layer w0.127: v1(20,22.55) 20.062,22.55 20.437,22.175 R36.1@20.475,22.175
DDR3_ODT_T: R36.2 U4.K1 U5.K1 | length 34.5
  Top Layer w0.127: v1(20.402,34.648) 20.404,34.647 20.404,34.344 20.255,34.196 20.255,33.973 20.438,33.791 20.562,33.791 20.79,33.562 20.79,33.257 21.048,33 21.352,33 21.59,32.762 21.59,32.191 U4.K1@21.2,31.8
  Int2 (Sign) w0.127: v1(20.402,34.648) v1(20.402,34.648) 20.4,32.925 21.272,32.053 25.972,32.053 26.4,31.625 26.4,31.125 25.875,30.6 20.425,30.6 20.125,30.3 20.125,29.248 cw(c19.998,29.248) 19.998,29.121 ccw(c19.998,28.994) 19.998,28.867 20.261,28.867 cw(c20.261,28.74) 20.261,28.613 19.981,28.613 ccw(c19.981,28.486) 19.981,28.359 20.269,28.359 cw(c20.269,28.232) 20.269,28.105 19.981,28.105 ccw(c19.981,27.978) 19.981,27.851 19.998,27.851 cw(c19.998,27.724) 20.125,27.724 20.125,27.661 20.125,24.95 20.4,24.675 20.4,23.202 20.583,23.019 21.131,23.019 v1(21.6,22.55)
  Bottom Layer w0.127: v1(20.402,34.648) 20.4,34.65 20.4,35.875 20.79,36.265 20.79,37.613 21.148,37.971 21.148,38.148 U5.K1@21.2,38.2 ; R36.2@21.125,22.175 21.163,22.175 21.538,22.55 v1(21.6,22.55)
DDR3_RAS: R19.1 U1.K15 | length 1.1
  Top Layer w0.127: U1.K15@20.4,21.4 20.4,21.375 20.75,21.025 v1(20.75,21)
  Bottom Layer w0.127: v1(20.75,21) 20.803,20.947 20.94,20.947 21.2,20.687 R19.1@21.2,20.675
DDR3_RAS_T: R19.2 U4.J3 U5.J3 | length 32.2
  Top Layer w0.127: v1(20,35.35) 20,33.8 U4.J3@20.4,33.4
  Int2 (Sign) w0.127: 19.594,24.54 19.594,22.29 19.735,22.15 21.274,22.15 21.6,21.824 v1(21.6,21.75) ; 19.6,24.545 19.6,24.609 ccw(c19.473,24.609) 19.473,24.736 19.416,24.736 cw(c19.416,24.863) 19.416,24.99 19.727,24.99 ccw(c19.727,25.117) 19.727,25.244 cw(c19.727,25.371) 19.6,25.371 19.6,27.283 19.6,30.475 20.1,30.975 25.732,30.975 26,31.243 26,31.55 25.994,31.556 25.994,31.563 25.763,31.794 25.756,31.794 25.751,31.799 20.976,31.799 20,32.775 v1(20,35.35)
  Bottom Layer w0.127: v1@19.994,35.344 19.56,35.779 19.56,35.976 19.659,36.075 20.221,36.075 20.363,36.217 20.363,36.563 U5.J3@20.4,36.6 ; R19.2@21.2,21.325 21.2,21.35 v1(21.6,21.75)
DDR3_RESET: R16.1 U1.U11 U4.T2 U5.T2 | length 29.1
  Top Layer w0.127: U1.U11@26,18.2 26.365,17.835 26.365,17.318 26.649,17.035 26.991,17.035 27.829,17.872 27.829,30.524 26.025,32.327 26.025,32.575 U4.T2@26,32.6 26.052,32.6 27,32.6 28.9,34.5 28.9,37.7 R16.1@27.95,38.65 27.925,38.625 27.225,38.625 v1(27.2,38.6)
  Bottom Layer w0.127: U5.T2@26,37.4 v1(27.2,38.6)
DDR3_S0: R28.1 U1.M15 | length 1.2
  Top Layer w0.127: U1.M15@22,21.4 22.025,21.4 22.425,21 v1(22.45,21)
  Bottom Layer w0.127: v1(22.45,21) 22.45,21.013 22.814,21.376 R28.1@22.823,21.376
DDR3_S0_T: R28.2 U4.L2 U5.L2 | length 33.1
  Top Layer w0.127: v1(21.6,35.35) 21.6,33.248 21.948,32.9 21.948,32.652 U4.L2@22,32.6
  Int2 (Sign) w0.127: v1(21.6,35.35) 21.6,33.325 22.11,32.815 26.635,32.815 27.609,31.841 27.609,30.834 26.3,29.525 21.998,29.525 21.7,29.227 21.7,26.66 21.7,26.291 ccw(c21.827,26.291) 21.827,26.164 cw(c21.827,26.037) 21.827,25.91 ccw(c21.827,25.783) 21.7,25.783 21.7,24.957 21.7,24.675 22,24.375 22,21.551 22.151,21.4 23.9,21.4 23.999,21.301 23.999,21.001 v1(24,21)
  Bottom Layer w0.127: v1(21.6,35.35) 21.6,37.628 21.674,37.703 21.823,37.703 21.948,37.578 21.948,37.452 U5.L2@22,37.4 ; R28.2@23.538,21.4 v1@23.938,21
DDR3_WE: R26.1 U1.M16 | length 1.2
  Top Layer w0.127: U1.M16@22,22.2 22.025,22.2 22.425,21.8 v1(22.45,21.8)
  Bottom Layer w0.127: v1(22.45,21.8) 22.45,21.813 22.837,22.2 R26.1@22.85,22.2
DDR3_WE_T: R26.2 U4.L3 U5.L3 | length 32
  Top Layer w0.127: U4.L3@22,33.4 22,33.915 22.1,34.015 22.311,34.015 22.4,34.104 22.4,34.577 22.326,34.652 v1@22.002,34.652
  Int2 (Sign) w0.127: v1(22,34.65) 22,33.45 22.381,33.069 26.881,33.069 28,31.95 28,30.725 26.442,29.167 22.467,29.167 22.39,29.09 22.225,28.925 22.225,28.393 cw(c22.098,28.393) 22.098,28.266 ccw(c22.098,28.139) 22.098,28.012 22.286,28.012 cw(c22.286,27.885) 22.286,27.758 22.081,27.758 ccw(c22.081,27.631) 22.081,27.504 22.369,27.504 cw(c22.369,27.377) 22.369,27.25 22.081,27.25 ccw(c22.081,27.123) 22.081,26.996 22.369,26.996 cw(c22.369,26.869) 22.369,26.742 22.081,26.742 ccw(c22.081,26.615) 22.081,26.488 22.369,26.488 cw(c22.369,26.361) 22.369,26.234 22.335,26.234 ccw(c22.335,26.107) 22.335,25.98 22.369,25.98 cw(c22.369,25.853) 22.369,25.726 22.352,25.726 ccw(c22.352,25.599) 22.225,25.599 22.225,25.282 22.844,24.663 22.844,22.031 23.075,21.8 v1(24,21.8)
  Bottom Layer w0.127: v1(22,34.65) U5.L3@22,36.6 ; R26.2@23.5,22.2 23.538,22.2 23.938,21.8 v1(24,21.8)
FCLK_N: JM1.77 R9.1 U1.U1 | length 33.4
  Top Layer w0.127: R9.1@25.975,8.65 25.987,8.65 26,8.65 26.097,8.553 26.167,8.553 26.409,8.311 27.761,8.311 28.86,9.41 38.457,19.007 38.457,28.993 39.625,30.161 39.625,31.151 v1@39.026,31.75 ; R9.1@25.989,8.65 26.175,8.836 26.175,9.43 26.175,10.014 26,10.189 U1.U1@26,10.2
  Bottom Layer w0.127: JM1.77@37.85,31.75 v1(39.025,31.75)
FCLK_P: JM1.75 R9.2 U1.U2 | length 33.4
  Top Layer w0.127: U1.U2@26,11 26.043,10.957 26.043,10.674 26.432,10.285 26.432,9.323 26.432,8.831 R9.2@26.613,8.65 ; R9.2@26.625,8.65 26.637,8.65 26.718,8.569 27.655,8.569 27.776,8.69 27.821,8.735 ccw(c27.687,8.87) 27.821,9.005 27.653,9.173 cw(c27.788,9.308) 27.653,9.442 cw(c27.788,9.307) 27.923,9.442 28.091,9.274 ccw(c28.226,9.409) 28.36,9.274 28.678,9.592 38.2,19.114 38.2,29.1 39.368,30.268 39.368,30.775 39.025,31.118 v1(39.025,31.194)
  Bottom Layer w0.127: JM1.75@37.85,31.25 37.878,31.222 38.997,31.222 v1(39.025,31.194)
FE_EN: JM2.53 U1.K6 | length 36.4
  Top Layer w0.127: v1(20,13.875) 20.037,13.875 20.325,14.162 U1.K6@20.362,14.162
  Int2 (Sign) w0.127: v1(6.95,25.75) 6.93,25.75 5.708,24.528 5.708,14.454 7.474,12.688 7.474,10.558 9.825,8.207 13.924,8.207 14.54,8.823 19.173,8.823 19.606,9.256 19.606,13.406 20,13.8 v1(20,13.875)
  Bottom Layer w0.127: JM2.53@5.85,25.75 v1(6.95,25.75)
FE_PG: JM2.45 U1.J5 | length 31.6
  Top Layer w0.127: v1(19.2,13) U1.J5@19.562,13.362
  Int2 (Sign) w0.127: v1(6.95,23.75) 6.93,23.75 5.962,22.782 5.962,14.559 7.728,12.793 7.728,10.663 9.93,8.461 13.819,8.461 14.435,9.077 17.861,9.077 18.803,10.019 18.803,12.603 v1(19.2,13)
  Bottom Layer w0.127: JM2.45@5.85,23.75 v1(6.95,23.75)